# Altium PCB intercomm.PcbDoc (part 1 of 2)
Units mm, origin at the board's own origin, x right, y up, seen from the top; angles counter-clockwise.
Board outline 240.62 x 142.9 mm, 2 copper layers (Top Layer, Bottom Layer); 96 components, 157 nets, 749 pads, 584 vias.
Unrouted connection lines stored in the file: 1.
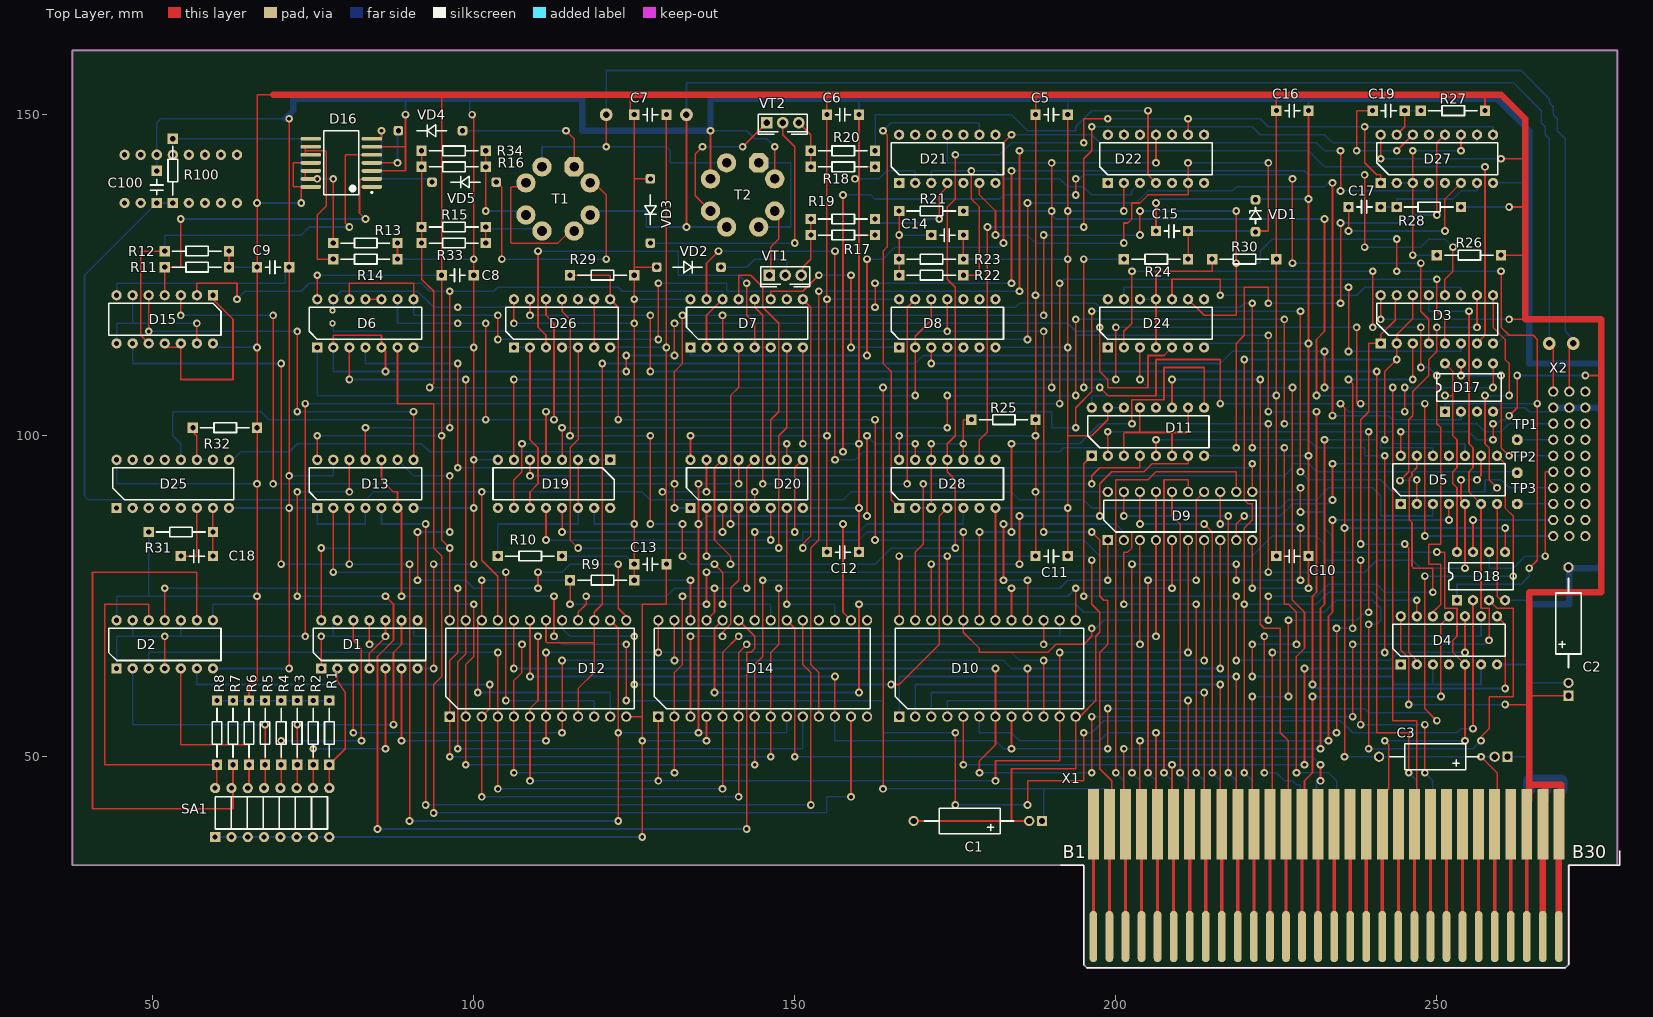
[diagram p0: Top Layer view]
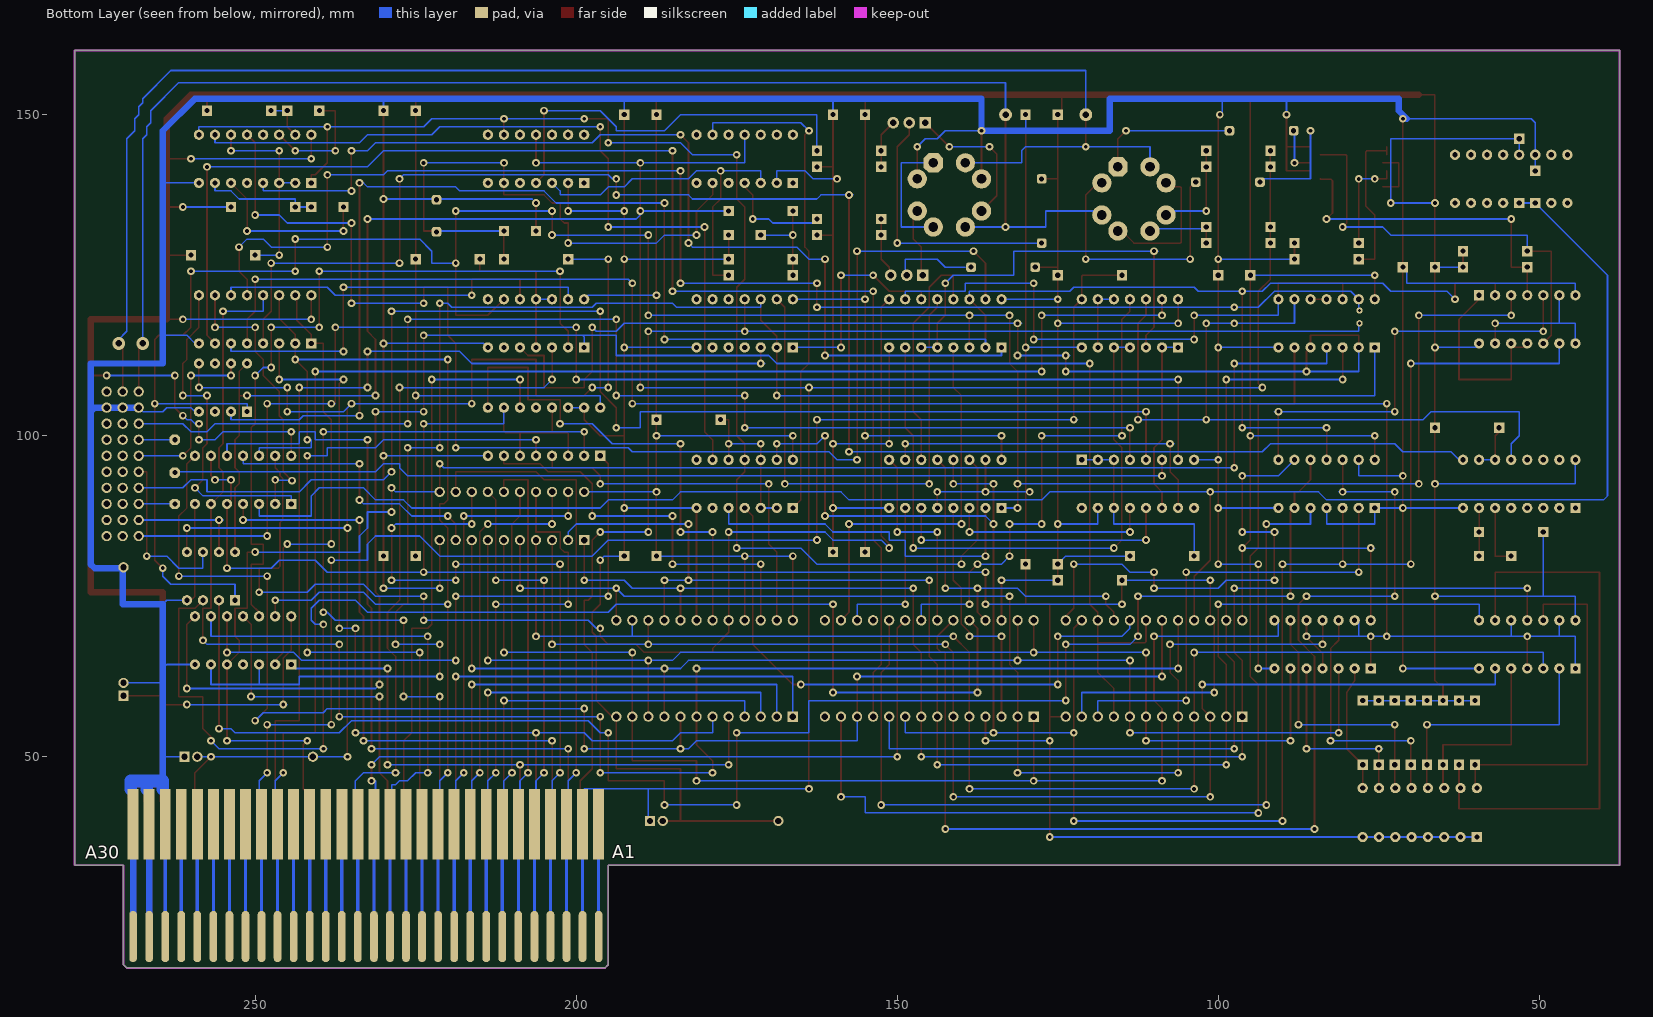
[diagram p1: Bottom Layer view, seen from below]
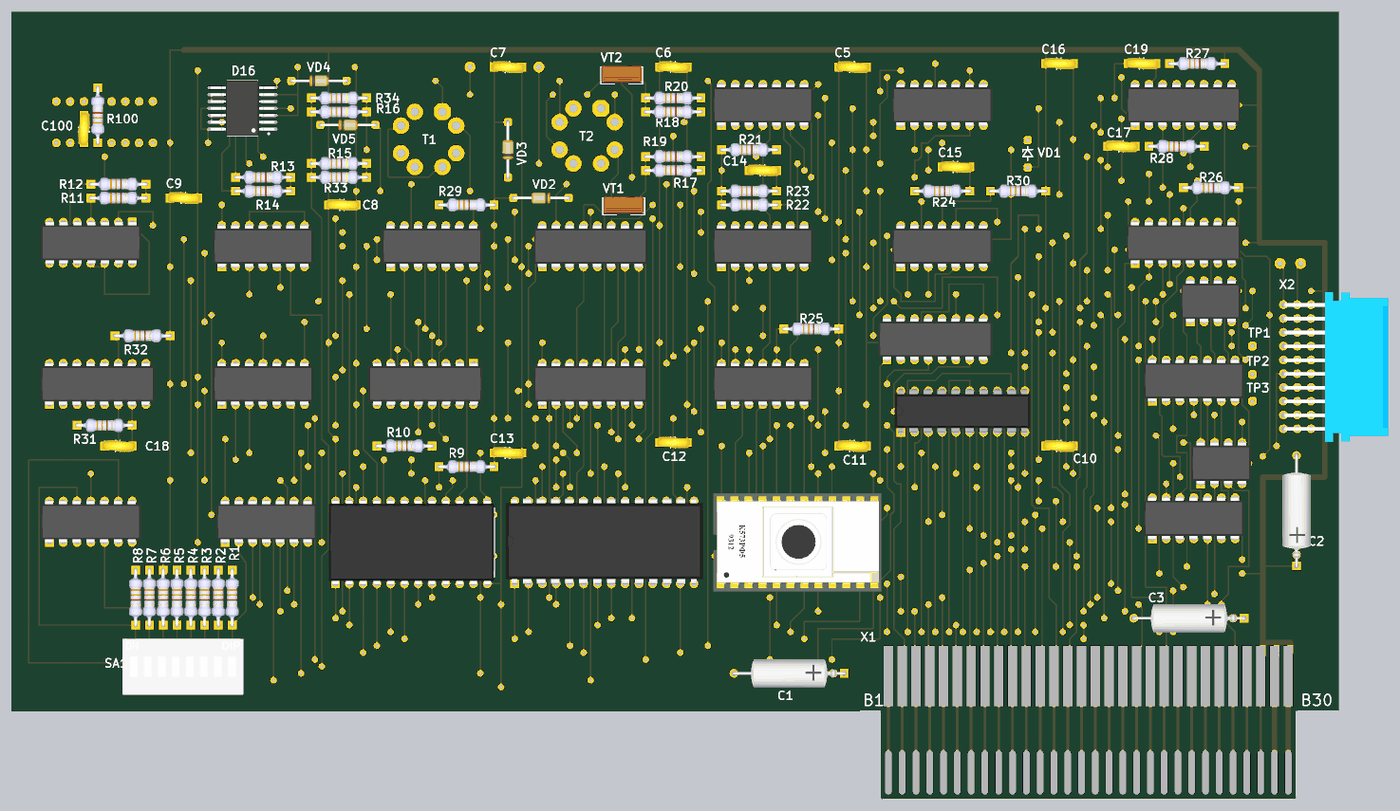
[diagram p3: 3D render of the assembled board from above, using the file's embedded part models]

## Layer stack, top to bottom
Top Solder: solder mask 0.0102, Solder Resist, Dk 3.5
Top Layer: signal copper 0.0356
Dielectric 1: dielectric 0.32, FR-4, Dk 4.8
Bottom Layer: signal copper 0.0356
Bottom Solder: solder mask 0.0102, Solder Resist, Dk 3.5

## Board outline
195,17.6 195,33.1 37.5,33.1 37.5,160 278.125,160 278.125,33.1 270.5,33.1 270.5,17.6 270,17.1 195.5,17.1

## Design rules (kind name [scope] priority, off if disabled: settings)
Clearance [All] p1: gap=0.254 ignorepadtopadclearanceinfootprint=FALSE except(0: Arc-Hole Track-Hole SMDPad-Hole THPad-Hole Via-Hole Fill-Hole Poly-Hole Region-Hole Text-Hole; 0.2: Arc-Arc Arc-Track Arc-SMDPad Arc-THPad Track-Track Track-SMDPad Track-THPad)
ComponentClearance [All] p1 off: gap=0.254 collisioncheckmode=3 verticalgap=0.254 showdistances=FALSE
MinimumSolderMaskSliver [All] p1: minsoldermaskwidth=0.1
PolygonConnect [All] p1: connectstyle=Relief reliefconductorwidth=0.254 reliefentries=4 polygonreliefangle="90 Angle" airgapwidth=0.254
RoutingVias [All] p1: holewidth=0.711 width=1.27 viastyle="Through Hole" minholewidth=0.711 minwidth=1.27 maxholewidth=0.711 maxwidth=1.27
SilkToSilkClearance [All] p1 off: silktosilkclearance=0.2
SilkToSolderMaskClearance [IsPad] p1 off: minsilkscreentomaskgap=0.1 clearancetoexposedcopper=TRUE
SolderMaskExpansion [All] p1: expansion=0.102 istentingtop=FALSE
Width [All] p1: maxlimit=5 minlimit=0.2 preferedwidth=0.25
26 further rules are at their usual default settings.

## Classes and differential pairs
component class Intercomm_sheet_3: C1 C2 C3 C5 C6 C7 C8 C9 C10 C11 C12 C13 C15 C16 R9 R10 R24 R25 R26 R30 R32 VD1

## Components (designator, comment, footprint, x,y, rotation, side; value= is the part's Value field where it differs from the comment)
C1 "0,1" CP25 188.5,40 r270 top
C2 "0,1" CP25 270.5,59.5 r180 top
C3 "0,1" CP25 261,50 r270 top
C5 "0,1" C5 187.5,150 r90 top
C6 "0,1" C5 155,150 r90 top
C7 "0,1" C5 125,150 r90 top
C8 "0,1" C5 95,125 r90 top
C9 "0,1" C5 66.25,126.25 r90 top
C10 "0,1" C5 225,81.25 r90 top
C11 "0,1" C5 187.5,81.25 r90 top
C12 "0,1" C5 155,81.875 r90 top
C13 "0,1" C5 125,80 r90 top
C14 "0,1" C5 171.25,131.25 r90 top
C15 "0,1" C5 206.25,131.875 r90 top
C16 "0,1" C5 225,150.625 r90 top
C17 "0,1" C5 236.25,135.625 r90 top
C18 "0,1" C5 54.375,81.25 r90 top
C19 "0,1" C5 240,150.625 r90 top
C100 "0,1" C5 50.625,136.25 r180 top
D1 "К555ЛП8" 201.14 76.25,63.75 r90 top
D2 "К555ЛП8" 201.14 44.375,63.75 r90 top
D3 "К555ИД4" 201.16 241.25,114.375 r90 top
D4 "К555ТЛ2" 201.14 244.375,64.375 r90 top
D5 "К555ЛИ1" 201.14 244.375,89.375 r90 top
D6 "К555ЛА3" 201.14 75.625,113.75 r90 top
D7 "КР559ИП7" 201.16 133.75,113.75 r90 top
D8 "К555ЛЕ1" 201.14 166.25,113.75 r90 top
D9 "КР580ВА86" 2140.20 198.75,83.75 r90 top
D10 "К573РФ2" "2120.24 socket" 166.25,56.25 r90 top
D11 "К555КП11" 201.16 196.25,96.875 r90 top
D12 "КР580ВИ53" 2120.24 96.25,56.25 r90 top
D13 "К555ЛП8" 201.14 75.625,88.75 r90 top
D14 "КР580ВВ51А" 2121.28 128.75,56.25 r90 top
D15 "К555ЛЕ1" 201.14 59.375,121.875 r270 top
D16 "1НТ251" SOP125P1150X265-14N 79.375,142.5 r180 top
D17 "К170АП2" 2101.8 251.25,103.75 r90 top
D18 "К170АП2" 2101.8 253.125,74.375 r90 top
D19 "К170УП2" 201.16 121.25,96.25 r270 top
D20 "К555КП11" 201.16 133.75,88.75 r90 top
D21 "К554СА2" 201.14 166.25,139.375 r90 top
D22 "К554СА2" 201.14 198.75,139.375 r90 top
D24 "К555ТМ2" 201.14 198.75,113.75 r90 top
D25 "К155АГ3" 201.16 44.375,88.75 r90 top (schematic designator D100)
D26 "К555ЛА3" 201.14 106.25,113.75 r90 top
D27 "К155АГ3" 201.16 241.25,139.375 r90 top
D28 "К555ТМ2" 201.14 166.25,88.75 r90 top
R1 "1K" R10 77.5,58.75 r0 top
R2 "1K" R10 75,58.75 r0 top
R3 "1K" R10 72.5,58.75 r0 top
R4 "1K" R10 70,58.75 r0 top
R5 "1K" R10 67.5,58.75 r0 top
R6 "1K" R10 65,58.75 r0 top
R7 "1K" R10 62.5,58.75 r0 top
R8 "1K" R10 60,58.75 r0 top
R9 "1K" R10 115,77.5 r90 top
R10 "1K" R10 103.75,81.25 r90 top
R11 "1K" R10 51.875,126.25 r90 top
R12 "1K" R10 51.875,128.75 r90 top
R13 "1K" R10 78.125,130 r90 top
R14 "1K" R10 78.125,127.5 r90 top
R15 "1K" R10 91.875,132.5 r90 top
R16 "1K" R10 91.875,141.875 r90 top
R17 "1K" R10 152.5,131.25 r90 top
R18 "1K" R10 152.5,141.875 r90 top
R19 "1K" R10 152.5,133.75 r90 top
R20 "1K" R10 152.5,144.375 r90 top
R21 "1K" R10 166.25,135 r90 top
R22 "1K" R10 166.25,125 r90 top
R23 "1K" R10 166.25,127.5 r90 top
R24 "1K" R10 201.25,127.5 r90 top
R25 "1K" R10 177.5,102.5 r90 top
R26 "1K" R10 250,128.125 r90 top
R27 "1K" R10 247.5,150.625 r90 top
R28 "1K" R10 243.75,135.625 r90 top
R29 "1K" R10 115,125 r90 top
R30 "1K" R10 215,127.5 r90 top
R31 "1K" R10 49.375,85 r90 top
R32 "1K" R10 56.25,101.25 r90 top
R33 "1K" R10 91.875,130 r90 top
R34 "1K" R10 91.875,144.375 r90 top
R100 "1K" R10 53.125,136.25 r180 top
SA1 "ВДМ1-8" SW8 59.72,37.5 r0 top
T1 "COMM_T1" COMM_T 115.625,141.875 r0 top
T2 "COMM_T2" COMM_T 144.375,142.5 r0 top
TP1 "TEST_PAD" TEST_PAD 262.5,99.375 r0 top
TP2 "TEST_PAD" TEST_PAD 262.5,94.25 r0 top
TP3 "TEST_PAD" TEST_PAD 262.5,89.375 r0 top
VD1 "КС162А" КД-25 221.75,131.75 r180 top
VD2 "КД522Б" DO-35-10mm 128.5,126.25 r90 top
VD3 "КД522Б" DO-35-10mm 127.5,140 r0 top
VD4 "КД522Б" DO-35-10mm 98.25,147.5 r270 top
VD5 "КД522Б" DO-35-10mm 103.5,139.5 r270 top
VT1 "КТ315" КТ315 146,125 r0 top
VT2 "КТ315" КТ315 145.625,148.75 r0 top
X1 "Agat-Ext-Full" AGAT_EXT 37.146,16.83 r0 top
X2 "COMM_OUT_IO" СНП34-300/27х9,4Р-22-Р 273.125,84.375 r0 top

## Footprints (in the part's own frame and the unit in brackets; to place one, negate y for a bottom-side part, rotate by r counter-clockwise, add the part's x,y. Pads: shape width x height; smd on the part's side, far side on the other; paste and mask are expansions set on the pad)
201.14 [mm]
  rect 1.6x1.6 hole 0.8: 1(0,0)
  round 1.6 hole 0.8: 2(0,-2.5) 3(0,-5) 4(0,-7.5) 5(0,-10) 6(0,-12.5) 7(0,-15) 8(7.5,-15) 9(7.5,-12.5) 10(7.5,-10) 11(7.5,-7.5) 12(7.5,-5) 13(7.5,-2.5) 14(7.5,0)
  silkscreen extent 1.25,-16.25 6.25,1.25, body extent -0.13,-16.55 7.63,1.55, height 4.5
201.16 [mm]
  rect 1.6x1.6 hole 0.8: 1(0,0)
  round 1.6 hole 0.8: 2(0,-2.5) 3(0,-5) 4(0,-7.5) 5(0,-10) 6(0,-12.5) 7(0,-15) 8(0,-17.5) 9(7.5,-17.5) 10(7.5,-15) 11(7.5,-12.5) 12(7.5,-10) 13(7.5,-7.5) 14(7.5,-5) 15(7.5,-2.5) 16(7.5,0)
  silkscreen extent 1.25,-18.25 6.25,0.63, body extent -0.13,-19.05 7.63,1.55, height 4.5
2101.8 [mm]
  rect 1.6x1.6 hole 0.8: 1(0,0)
  round 1.6 hole 0.8: 2(0,-2.5) 3(0,-5) 4(0,-7.5) 5(7.5,-7.5) 6(7.5,-5) 7(7.5,-2.5) 8(7.5,0)
  silkscreen extent 1.63,-8.75 5.87,1.25, body extent -0.13,-9.1 7.63,1.7, height 4.5
2120.24 [mm]
  rect 1.6x1.6 hole 1: 1(0,0)
  round 1.6 hole 1: 2(0,-2.5) 3(0,-5) 4(0,-7.5) 5(0,-10) 6(0,-12.5) 7(0,-15) 8(0,-17.5) 9(0,-20) 10(0,-22.5) 11(0,-25) 12(0,-27.5) 13(15,-27.5) 14(15,-25) 15(15,-22.5) 16(15,-20) 17(15,-17.5) 18(15,-15) 19(15,-12.5) 20(15,-10) 21(15,-7.5) 22(15,-5) 23(15,-2.5) 24(15,0)
  silkscreen extent 1.25,-28.75 13.75,0.63, body extent -0.15,-28.75 15.15,1.25, height 5.5
"2120.24 socket" [mm]
  rect 1.6x1.6 hole 1: 1(0,0)
  round 1.6 hole 1: 2(0,-2.5) 3(0,-5) 4(0,-7.5) 5(0,-10) 6(0,-12.5) 7(0,-15) 8(0,-17.5) 9(0,-20) 10(0,-22.5) 11(0,-25) 12(0,-27.5) 13(15,-27.5) 14(15,-25) 15(15,-22.5) 16(15,-20) 17(15,-17.5) 18(15,-15) 19(15,-12.5) 20(15,-10) 21(15,-7.5) 22(15,-5) 23(15,-2.5) 24(15,0)
  silkscreen extent 1.25,-28.75 13.75,0.63, body extent -1.39,-28.98 16.39,1.5, height 8.2
2121.28 [mm]
  rect 1.6x1.6 hole 1: 1(0,0)
  round 1.6 hole 1: 2(0,-2.5) 3(0,-5) 4(0,-7.5) 5(0,-10) 6(0,-12.5) 7(0,-15) 8(0,-17.5) 9(0,-20) 10(0,-22.5) 11(0,-25) 12(0,-27.5) 13(0,-30) 14(0,-32.5) 15(15,-32.5) 16(15,-30) 17(15,-27.5) 18(15,-25) 19(15,-22.5) 20(15,-20) 21(15,-17.5) 22(15,-15) 23(15,-12.5) 24(15,-10) 25(15,-7.5) 26(15,-5) 27(15,-2.5) 28(15,0)
  silkscreen extent 1.25,-33 13.75,0.63, body extent -0.02,-34.11 15.47,1.69, height 5
2140.20 [mm]
  rect 1.6x1.6 hole 1: 1(0,0)
  round 1.6 hole 1: 2(0,-2.5) 3(0,-5) 4(0,-7.5) 5(0,-10) 6(0,-12.5) 7(0,-15) 8(0,-17.5) 9(0,-20) 10(0,-22.5) 11(7.5,-22.5) 12(7.5,-20) 13(7.5,-17.5) 14(7.5,-15) 15(7.5,-12.5) 16(7.5,-10) 17(7.5,-7.5) 18(7.5,-5) 19(7.5,-2.5) 20(7.5,0)
  silkscreen extent 1.25,-23.1 6.2,0.63, body extent -0.1,-23.5 7.77,1.1, height 4.36
AGAT_EXT [mm]
  rrect100% 1.2x8 smd far side: A1(159.354,5.17) A2(161.854,5.17) A3(164.354,5.17) A4(166.854,5.17) A5(169.354,5.17) A6(171.854,5.17) A7(174.354,5.17) A8(176.854,5.17) A9(179.354,5.17) A10(181.854,5.17) A11(184.354,5.17) A12(186.854,5.17) A13(189.354,5.17) A14(191.854,5.17) A15(194.354,5.17) A16(196.854,5.17) A17(199.354,5.17) A18(201.854,5.17) A19(204.354,5.17) A20(206.854,5.17) A21(209.354,5.17) A22(211.854,5.17) A23(214.354,5.17) A24(216.854,5.17) A25(219.354,5.17) A26(221.854,5.17) A27(224.354,5.17) A28(226.854,5.17) A29(229.354,5.17) A30(231.854,5.17)
  rect 1.7x11 smd far side: A1(159.354,22.67) A2(161.854,22.67) A3(164.354,22.67) A4(166.854,22.67) A5(169.354,22.67) A6(171.854,22.67) A7(174.354,22.67) A8(176.854,22.67) A9(179.354,22.67) A10(181.854,22.67) A11(184.354,22.67) A12(186.854,22.67) A13(189.354,22.67) A14(191.854,22.67) A15(194.354,22.67) A16(196.854,22.67) A17(199.354,22.67) A18(201.854,22.67) A19(204.354,22.67) A20(206.854,22.67) A21(209.354,22.67) A22(211.854,22.67) A23(214.354,22.67) A24(216.854,22.67) A25(219.354,22.67) A26(221.854,22.67) A27(224.354,22.67) A28(226.854,22.67) A29(229.354,22.67) A30(231.854,22.67)
  rrect100% 1.2x8 smd: B1(159.354,5.17) B2(161.854,5.17) B3(164.354,5.17) B4(166.854,5.17) B5(169.354,5.17) B6(171.854,5.17) B7(174.354,5.17) B8(176.854,5.17) B9(179.354,5.17) B10(181.854,5.17) B11(184.354,5.17) B12(186.854,5.17) B13(189.354,5.17) B14(191.854,5.17) B15(194.354,5.17) B16(196.854,5.17) B17(199.354,5.17) B18(201.854,5.17) B19(204.354,5.17) B20(206.854,5.17) B21(209.354,5.17) B22(211.854,5.17) B23(214.354,5.17) B24(216.854,5.17) B25(219.354,5.17) B26(221.854,5.17) B27(224.354,5.17) B28(226.854,5.17) B29(229.354,5.17) B30(231.854,5.17)
  rect 1.7x11 smd: B1(159.354,22.67) B2(161.854,22.67) B3(164.354,22.67) B4(166.854,22.67) B5(169.354,22.67) B6(171.854,22.67) B7(174.354,22.67) B8(176.854,22.67) B9(179.354,22.67) B10(181.854,22.67) B11(184.354,22.67) B12(186.854,22.67) B13(189.354,22.67) B14(191.854,22.67) B15(194.354,22.67) B16(196.854,22.67) B17(199.354,22.67) B18(201.854,22.67) B19(204.354,22.67) B20(206.854,22.67) B21(209.354,22.67) B22(211.854,22.67) B23(214.354,22.67) B24(216.854,22.67) B25(219.354,22.67) B26(221.854,22.67) B27(224.354,22.67) B28(226.854,22.67) B29(229.354,22.67) B30(231.854,22.67)
  Top Layer lines w0.5: 159.354,8.97 159.354,18 ; 161.854,8.77 161.854,18 ; 164.354,8.87 164.354,18 ; 166.5,18 166.854,17.646 166.854,8.77 ; 169.354,8.77 169.354,18 ; 171.854,8.97 171.854,17.5 ; 174.354,8.87 174.354,17.5 ; 176.854,8.77 176.854,17.5 ; 179.354,9.27 179.354,17.5 ; 181.854,8.97 181.854,17.5 ; 184.354,9.07 184.354,17.5 ; 186.854,8.77 186.854,17.5 ; 189.354,8.77 189.354,17.5 ; 191.854,8.77 191.854,17.5 ; 194.354,8.77 194.354,17.5 ; 196.854,8.77 196.854,17.5 ; 199.354,8.77 199.354,17.5 ; 201.854,8.77 201.854,17.5 ; 204.354,8.77 204.354,17.5 ; 206.854,8.77 206.854,17.5 ; 209.354,8.77 209.354,17.5 ; 211.854,8.87 211.854,17.5 ; 214.354,8.77 214.354,17.5 ; 216.854,8.97 216.854,17.5 ; 219.354,8.77 219.354,17.5 ; 221.854,8.77 221.854,17.5 ; 224.354,8.87 224.354,17.5 ; 226.854,8.77 226.854,17.5
  Top Layer lines w1: 229.354,8.77 229.354,17.5 ; 231.854,8.77 231.854,17.5
  Bottom Layer lines w0.5: 159.354,8.97 159.354,17.5 ; 161.854,8.77 161.854,17.5 ; 164.354,8.97 164.354,18 ; 166.854,8.77 166.854,17.5 ; 169.354,8.77 169.354,17.5 ; 171.854,8.87 171.854,18 ; 174.354,8.97 174.354,17.5 ; 176.854,8.77 176.854,17.5 ; 179.354,9.07 179.354,17.5 ; 181.854,9.17 181.854,17.5 ; 184.354,8.87 184.354,18 ; 186.854,8.77 186.854,17.5 ; 189.354,8.77 189.354,18 ; 191.854,8.77 191.854,17.5 ; 194.354,8.77 194.354,17.5 ; 196.854,8.77 196.854,18 ; 199.354,8.77 199.354,18 ; 201.854,8.77 201.854,18 ; 204.354,8.77 204.354,17.5 ; 206.854,8.77 206.854,17.5 ; 209.354,8.77 209.354,17.5 ; 211.854,8.87 211.854,18 ; 214.354,8.77 214.354,17.5 ; 216.854,8.87 216.854,17.5 ; 219.354,8.77 219.354,17.5 ; 221.854,8.77 221.854,17.5 ; 224.354,8.87 224.354,18 ; 226.854,8.77 226.854,17.5
  Bottom Layer lines w1: 229.354,8.77 229.354,18 ; 231.854,8.77 231.854,17.5
  silkscreen extent 154.27,0.27 241.3,18.5
C5 [mm]
  rect 1.6x1.6 hole 0.8: 1(0,0) 2(0,-5)
  silkscreen extent -1,-3.7 1,-1.3, body extent -1.05,-5.54 1.05,0.46, height 8.1
COMM_T [mm]
  oct 3x3 hole 1.5: 1(0,0)
  round 3 hole 1.5: 2(-5,0) 3(-7.5,-2.5) 4(-7.5,-7.5) 5(-5,-10) 6(0,-10) 7(2.5,-7.5) 8(2.5,-2.5)
  body extent -12.5,-15 7.5,5, height 11
CP25 [mm]
  rect 1.6x1.6 hole 1: 1(0,0)
  round 1.6 hole 1: 2(0,-2) 2(0,-20)
  silkscreen extent -2,-18.3 2,-4.4, body extent -2.56,-20.42 2.56,0.42, height 5.86
DO-35-10mm [mm]
  rrect50% 1.5x1.5 hole 0.8: 1(0,0) 2(0,-10)
  silkscreen extent -0.9,-7.1 0.9,-2.5, body extent -1,-10.25 1,0.25, height 2
R10 [mm]
  rect 1.6x1.6 hole 0.8: 1(0,0) 2(0,-10)
  silkscreen extent -0.75,-8.8 0.75,-1.2, body extent -1.2,-10.38 1.18,0.38, height 2.41
SOP125P1150X265-14N [mm] "SOP, 14-Leads, Body 10,00x6,00mm, Pitch 1,25mm, IPC Medium Density"
  oval 3.2x0.6 smd: 1(-4.75,3.75) 2(-4.75,2.5) 3(-4.75,1.25) 4(-4.75,0) 5(-4.75,-1.25) 6(-4.75,-2.5) 7(-4.75,-3.75) 8(4.75,-3.75) 9(4.75,-2.5) 10(4.75,-1.25) 11(4.75,0) 12(4.75,1.25) 13(4.75,2.5) 14(4.75,3.75)
  silkscreen extent -4.88,-5 2.75,5, body extent -5.75,-5 5.75,5, height 2.65
SW8 [mm]
  rect 1.6x1.6 hole 0.8: 1(0,0)
  round 1.6 hole 0.8: 2(0,7.62) 3(2.54,0) 4(2.54,7.62) 5(5.08,0) 6(5.08,7.62) 7(7.62,0) 8(7.62,7.62) 9(10.16,0) 10(10.16,7.62) 11(12.7,0) 12(12.7,7.62) 13(15.24,0) 14(15.24,7.62) 15(17.78,0) 16(17.78,7.62)
  silkscreen extent 0,1.25 17.5,6.25, body extent -2.1,-1.38 19.8,8.78, height 6.9
TEST_PAD [mm]
  oct 1.6x1.6 hole 0.8: 1(0,0)
КД-25 [mm]
  rrect50% 1.5x1.5 hole 0.8: 1(0,0) 2(0,-5)
  silkscreen extent -0.9,-3.8 0.9,-1.3, body extent -1.4,-5.78 1.4,0.85, height 4
КТ315 [mm]
  rect 1.8x1.8 hole 1: B(0,0)
  round 1.8 hole 1: C(2.5,0) E(5,0)
  silkscreen extent -1.3,-1.8 6.3,1.3, body extent -1.1,-1.5 6.1,1.5, height 7.5
СНП34-300/27х9,4Р-22-Р [mm]
  round 1.6 hole 1: A1(0,0) A2(0,2.5) A3(0,5) A4(0,7.5) A5(0,10) A6(0,12.5) A7(0,15) A8(0,17.5) A9(0,20) A10(0,22.5) B1(-2.5,0) B2(-2.5,2.5) B3(-2.5,5) B4(-2.5,7.5) B5(-2.5,10) B6(-2.5,12.5) B7(-2.5,15) B8(-2.5,17.5) B9(-2.5,20) B10(-2.5,22.5) C1(-5,0) C2(-5,2.5) C3(-5,5) C4(-5,7.5) C5(-5,10) C6(-5,12.5) C7(-5,15) C8(-5,17.5) C9(-5,20) C10(-5,22.5)
  body extent -5.15,-2.3 14,24.7, height 9.7

## Part data
C1 C2 C3: library part К53-14, "К53-14"
C5 C6 C7 C8 C9 C10 C11 C12 C13 C14 C15 C16 C17 C18 C19 C100: library part К10-17, "К10-17"
D7 D8 D15: ManufacturerPartNumber=К555ЛА3
D9: library part КР580ВА86_1
R1 R2 R3 R4 R5 R6 R7 R8 R9 R10 R11 R12 R13 R14 R15 R16 R17 R18 R19 R20 R21 R22 R23 R24 R25 R26 R27 R28 R29 R30 R31 R32 R33 R34 R100: library part С2-23, "Резистор"
D3: ManufacturerPartNumber=К555ИД4
D5: ManufacturerPartNumber=К555ЛИ1
D6 D26: ManufacturerPartNumber=К555ЛА3
D11 D20: ManufacturerPartNumber=К555КП11
